# KiCad board r1_panel.kicad_pcb (continued)
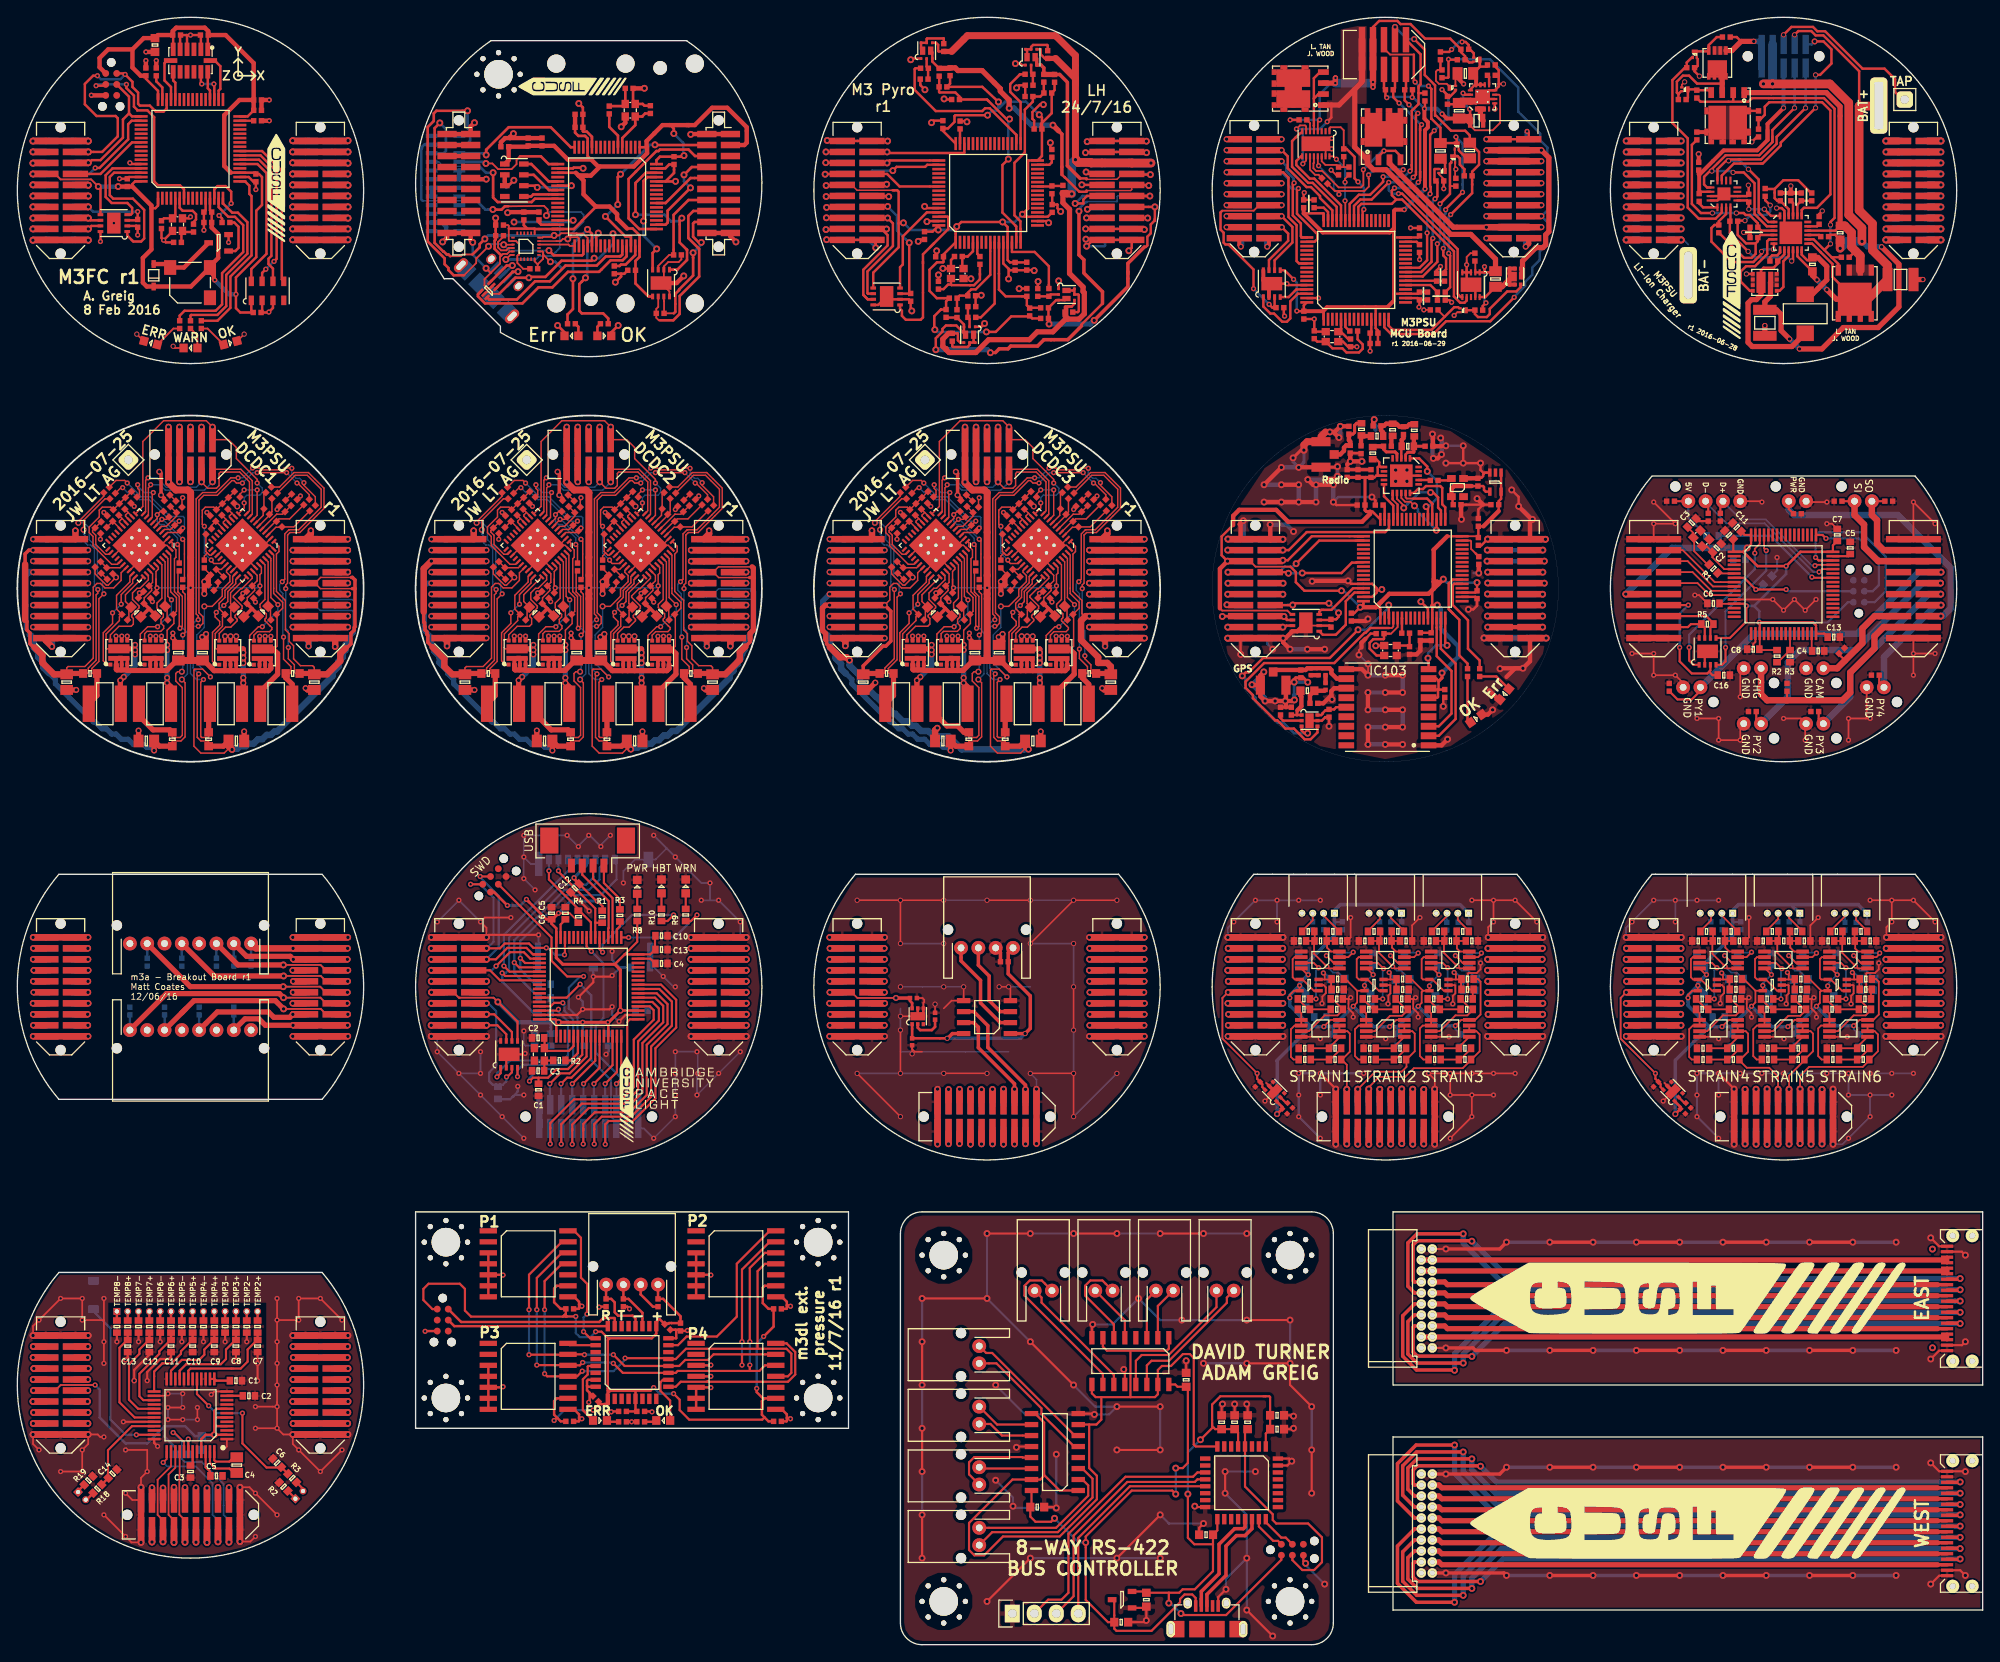
[diagram p0: board, top side]
## Routing (per net, layer and track width the routed paths; a pad name or vN(x,y) marks a point on that pad's centre or on a via; arc(x,y) is an arc through that point) (continued)
Net-(C27-Pad2): length 3
  Top w0.16: C27#2.2 R25#5.1 ; C27.2 R25#4.1 ; C27#3.2 R25#6.1
Net-(C29-Pad1): length 41.3
  Top w0.16: IC2#7.25 11.56,124.81 10.9,124.81 8.74,126.97 8.74,128.03 8.3,128.47 8.3,129.12 9.46,130.27 9.46,131.06 9.81,131.41 10.79,131.41 R15#5.1 R20#5.2 C29.1 R7#6.1 ; IC2#9.25 103.56,124.81 102.9,124.81 100.74,126.97 100.74,128.03 100.3,128.47 100.3,129.12 101.46,130.27 101.46,131.06 101.81,131.41 102.79,131.41 R15#7.1 R20#7.2 C29#3.1 R7#8.1 ; IC2#8.25 57.56,124.81 56.9,124.81 54.74,126.97 54.74,128.03 54.3,128.47 54.3,129.12 55.46,130.27 55.46,131.06 55.81,131.41 56.79,131.41 R15#6.1 R20#6.2 C29#2.1 R7#7.1
Net-(C30-Pad1): length 12
  Top w0.2: 159.25,75.7 159.25,76.9 R30.2 158.6,76.85 ; 204.6,76.85 R30#2.2 205.25,76.9 205.25,75.7 ; 204.6,76.85 204.6,77.5 v3(204.45,77.65) ; 204.6,76.85 IC7#2.3 ; v3(158.45,77.65) 158.6,77.5 158.6,76.85 ; 158.6,76.85 IC7.3
  Bottom w0.2: C30#4.1 159.2,75.65 R30.2 158.45,77.6 v3(158.45,77.65) ; v3(204.45,77.65) 204.45,77.6 R30#2.2 205.2,75.65 C30#5.1
Net-(C101-Pad2): length 8.1
  Top w0.2: 158.47,116.8 158.67,116.8 159.43,117.56 IC101.5
  Top w0.28: 158.47,116.8 C101.2 157.85,116.21 157.8,116.16 156.61,116.16 156.19,115.74 156.19,115.07 156.99,114.28 157.88,114.28
Net-(C102-Pad1): length 3.1
  Top w0.28: Y101.3 160.68,115.42 C102.1 R101.1
Net-(C110-Pad1): length 1.7
  Top w0.28: C110.1 157.93,131.48 IC101.47 157.94,130.02
Net-(C111-Pad1): length 3.2
  Top w0.2: 168.45,126.05 167.92,126.58 167.92,127.46 167.83,127.55 IC101.31
  Top w0.28: 168.45,126.05 C111.1
Net-(C204-Pad2): length 1.2
  Top w0.28: 158.7,139.5 L204.1
  Top w0.5: 158.7,138.5 158.7,139.5
Net-(C205-Pad2): length 5.6
  Top w0.28: 158.8,141 L204.2
  Top w0.35: 159.3,141.05 L204.2
  Top w0.5: 159.3,141.05 159.65,140.7 C205.2 160.5,140.7 160.79,140.99 L203.2 ; L205.1 157.75,140.05 157.5,140.3 C206.1 157.85,140.8 158.1,141.05 L204.2
Net-(C207-Pad1): length 2.4
  Top w0.28: 155.3,139.75 L206.1 ; L206.1 155.33,139.62 ; L206.1 155.2,139.65
  Top w0.5: C207.1 155.2,139.65 ; L205.2 155.33,139.62
Net-(C208-Pad1): length 6.4
  Top w0.35: 155.18,141.1 L206.2 154.69,141.1 154.46,140.87 154.46,140.04 154.26,139.85 D2#9.1
  Top w0.5: P201.1 152.8,137.5 153.23,137.93 153.23,138.29 153.49,138.55 C208.1 153.95,139 153.8,139.15 D2#9.1
Net-(D1-Pad1): length 11.6
  Top w0.28: R1#14.1 68.25,25.75 D1#10.1
  Top w0.35: 150.09,112.8 150.1,112.81
  Top w0.5: 150.09,112.8 L1#6.2 149,112.8 148.8,112.6 D1#8.1 145.28,112.6 P101.1 ; 150.7,112.81 150.1,112.81 ; 150.7,112.81 151.57,112.81 151.78,112.6 151.78,112.22 152.4,111.6 IC103.11 ; 150.7,112.81 151.55,112.81
Net-(D1-Pad2): length 33.9
  Top w0.2: R2.2 18.03,152.05 D1.2
  Top w0.25: v3(13.75,24.25) IC1#6.35 ; IC5#4.29 65.95,32.2 65.88,32.12 65.88,31.21 65.32,30.66 65.32,27.11 ; R8#5.2 D1#7.2
  Top w0.28: D1#10.2 66.5,25.93 65.32,27.11
  Top w0.3: D1#5.2 64.8,152.25 R2#11.2
  Bottom w0.25: v3(13.75,24.25) 12.5,24.25 10.75,26 10.75,36.56 8.8,38.51 8.8,38.76
Net-(D2-Pad1): length 6.5
  Top w0.28: R2#15.1 73.65,25.75 D2#10.1
  Top w0.3: 57.85,158.6 57.19,158.6 57.19,158.58 55.27,156.66
  Bottom w0.3: 57.85,158.6 57.84,158.61 57.32,158.61 J1#18.2 56.55,157.87
  vias: v1(57.83,158.62)
Net-(D2-Pad2): length 10.3
  Top w0.2: D2.2 20.8,151.25 R3.2
  Top w0.25: IC5#4.10 74.57,30.6 74.28,30.31 74.28,29.33 75.4,28.2 D2#10.2 ; R9#3.2 D2#8.2
  Top w0.28: D2#10.2 75.4,25.93
Net-(D2-Pad3): length 4.9
  Top w0.3: 54.57,157.37 56.52,159.33 v1(57.18,159.33)
  Bottom w0.3: J1#18.3 56.15,158.3 v1(57.18,159.33)
Net-(D3-Pad2): length 6.7
  Top w0.2: R4.2 21.97,152.05 D3.2
  Top w0.25: R10#3.2 D3#7.2
  Top w0.3: R4#10.2 67,152.25 D3#5.2
Net-(D4-Pad2): length 7.7
  Top w0.5: D4.2 17.25,159.5 LS1.2 19.25,159.1 Q1.3
Net-(D7-Pad1): length 6.5
  Top w0.25: D7.1 J13.1
  Bottom w0.25: J13.1 193,130.2 R4#13.1
Net-(D101-Pad2): length 4
  Top w0.28: D101.2 170.83,111.85 R102.2
Net-(D102-Pad2): length 5.5
  Top w0.28: R103.2 167.5,106.89 D102.2
Net-(IC1-Pad2): length 14.4
  Top w0.2: v3(212.1,79.6) 212.93,78.78 IC1#5.2 ; IC1#4.2 166.93,78.78 v3(166.1,79.6)
  Top w0.28: R2#14.2 145.9,107.05 146.2,106.75 IC1#14.2
  Top w0.3: IC1#16.2 104,71.28 104.28,71 105.63,71 106,71.38 R1#15.1
  Bottom w0.2: v3(212.1,79.6) 213.25,78.45 213.7,78.45 ; 167.7,78.45 167.25,78.45 v3(166.1,79.6)
Net-(IC1-Pad3): length 6.2
  Top w0.2: IC1#4.3 168.73,79.43 169.1,79.8 v3(169.1,79.9) ; v3(215.1,79.9) 215.1,79.8 214.73,79.43 IC1#5.3
  Bottom w0.2: v3(215.1,79.9) 213.75,79.9 213.7,79.95 ; 167.7,79.95 167.75,79.9 v3(169.1,79.9)
Net-(IC1-Pad5): length 9.2
  Top w0.28: Q6#2.G2 200.12,156.41 199.06,157.46 199.06,158.64 199.67,159.25 200.71,159.25 202.11,160.65 202.11,162.13 202.34,162.35 IC1#13.5
Net-(IC1-Pad6): length 32
  Top w0.2: IC2#4.1 164.75,75.55 163.45,76.85 IC2#4.4 162.35,76.85 162.2,77 162.2,79.2 162.43,79.43 IC1#4.6 ; IC2#5.1 210.75,75.55 209.45,76.85 IC2#5.4 208.35,76.85 208.2,77 208.2,79.2 208.43,79.43 IC1#5.6 ; 196.43,123.77 196.45,123.75 IC1#7.6
  Top w0.25: 63.35,67.5 63.9,67.5 64.75,68.35 IC1#3.6
  Top w0.28: R3#11.2 153.86,151.76 153.39,152.24 IC1#12.6 ; R5.2 20.35,164.35 20.64,164.64 20.64,165.26 20.25,165.65 19.1,165.65 18.75,166 IC1.6 ; R25.2 110.88,160.67 IC1#2.6
  Top w0.3: IC1#11.6 69.37,174.33 68.37,175.33 R1#10.2
Net-(IC1-Pad7): length 13.2
  Top w0.2: v3(211.2,74.6) 210.35,74.6 ; 164.35,74.6 v3(165.2,74.6) ; v3(165.2,78.2) 164.63,78.78 IC1#4.7 ; IC1#5.7 210.63,78.78 v3(211.2,78.2)
  Bottom w0.2: v3(211.2,74.6) v3(211.2,78.2) ; v3(165.2,74.6) v3(165.2,78.2)
Net-(IC1-Pad8): length 18.6
  Top w0.16: IC1#10.8 119.7,130.47 v3(119.7,133.4) ; IC1#9.8 73.7,130.47 v3(73.7,133.4) ; R5#10.2 117.72,132.92 v3(118.2,133.4) ; R5#8.2 25.72,132.92 v3(26.2,133.4) ; IC1#8.8 27.7,130.47 v3(27.7,133.4) ; R5#9.2 71.72,132.92 v3(72.2,133.4)
  Bottom w0.16: v3(26.2,133.4) v3(27.7,133.4) ; v3(72.2,133.4) v3(73.7,133.4) ; v3(118.2,133.4) v3(119.7,133.4)
Net-(IC1-Pad9): length 5.5
  Top w0.28: Q6#2.G1 203.54,156.41 203.98,156.85 203.98,159.82 204.6,160.44 IC1#13.9
Net-(IC1-Pad12): length 15.9
  Top w0.16: 70.8,130.7 71.19,130.31 IC1#9.12 ; 70.8,130.7 70.5,130.4 70.5,130.27 IC1#9.13 ; 70.8,130.7 R18#7.1 ; 116.8,130.7 116.5,130.4 116.5,130.27 IC1#10.13 ; 116.8,130.7 117.19,130.31 IC1#10.12 ; 116.8,130.7 R18#8.1 ; IC1#8.12 25.19,130.31 24.8,130.7 ; IC1#8.13 24.5,130.27 24.5,130.4 24.8,130.7 ; 24.8,130.7 R18#6.1
  Top w0.28: R14#9.1 207.02,159.95 206.72,159.95 206.1,160.57 IC1#13.12
  Top w0.6: R14#9.1 207.96,160.26 208.99,159.23 208.99,157.67 207.32,156 L1#5.2
Net-(IC1-Pad14): length 6.9
  Top w0.16: 70.1,130 R2#9.2 ; 70.1,130 70.48,129.62 IC1#9.14 ; 70.1,130 69.8,129.7 69.8,129.55 IC1#9.15 ; 116.1,130 116.48,129.62 IC1#10.14 ; 116.1,130 115.8,129.7 115.8,129.55 IC1#10.15 ; 116.1,130 R2#10.2 ; 24.1,130 24.48,129.62 IC1#8.14 ; 24.1,130 R2#8.2 ; 24.1,130 23.8,129.7 23.8,129.55 IC1#8.15
Net-(IC1-Pad15): length 1.6
  Top w0.28: R15#9.1 208.11,162.85 IC1#13.15
Net-(IC1-Pad16): length 7
  Top w0.16: R8#8.1 114.42,129.28 R10#6.1 115.77,128.93 IC1#10.16 ; IC1#9.16 69.77,128.93 R10#4.1 68.42,129.28 R8#6.1 ; R8#7.1 22.42,129.28 R10#5.1 23.77,128.93 IC1#8.16
Net-(IC1-Pad19): length 25.7
  Top w0.28: R13#9.1 R12#9.2 201.39,176.29 201.83,176.73 201.83,177.67 202.34,178.18 208.46,178.18 209.41,177.23 209.41,167.54 207.86,165.99 206.35,165.99 206.1,165.74 IC1#13.19
Net-(IC1-Pad20): length 3.3
  Top w0.28: R4#12.2 205.6,166.35 IC1#13.20 ; R4#12.2 R7#9.1 ; R4#12.2 205.94,166.81
Net-(IC1-Pad26): length 7
  Top w0.2: IC1#7.26 204.75,114.95 ; R2#7.1 203.35,113.5 R3#7.2 204.8,114.95
  Top w0.28: IC1#2.26 119.44,168.46 R27#3.1 120.71,168.52 R26#6.2
Net-(IC1-Pad30): length 37.3
  Top w0.16: Q2#3.G1 68.94,113.21 68.54,113.61 68.54,116.95 69.37,117.78 69.37,118.2 68.85,118.73 68.85,119.15 ; v3(115.85,120.05) 116.31,120.51 116.31,121.66 117.22,122.57 117.22,123.04 IC1#10.30 ; IC1#9.30 71.22,123.04 71.22,122.57 70.31,121.66 70.31,120.51 v3(69.85,120.05) ; IC1#8.30 25.22,123.04 25.22,122.57 24.31,121.66 24.31,120.51 v3(23.85,120.05) ; 22.85,119.15 22.85,118.73 23.37,118.2 23.37,117.78 22.54,116.95 22.54,113.61 22.94,113.21 Q2#2.G1 ; 114.85,119.15 114.85,118.73 115.37,118.2 115.37,117.78 114.54,116.95 114.54,113.61 114.94,113.21 115.33,113.21
  Bottom w0.16: v3(23.85,120.05) 23.77,120.05 v3(22.98,119.26) 22.85,119.15 ; v3(115.85,120.05) 115.77,120.05 v3(114.98,119.26) 114.85,119.15 ; 68.85,119.15 v3(68.98,119.26) 69.77,120.05 v3(69.85,120.05)
Net-(IC1-Pad32): length 32.8
  Top w0.16: IC1#10.32 119.13,123.39 119.13,123.2 117.93,121.99 117.79,121.99 116.95,121.15 116.95,121 117.96,119.98 117.96,119.71 117.15,118.9 117.15,118.7 117.4,118.45 117.4,118.29 116.66,117.55 116.05,117.55 115.33,116.83 115.33,115.99 ; Q2#3.G2 69.33,116.83 70.05,117.55 70.66,117.55 71.4,118.29 71.4,118.45 71.15,118.7 71.15,118.9 71.96,119.71 71.96,119.98 70.95,121 70.95,121.15 71.79,121.99 71.93,121.99 73.13,123.2 73.13,123.39 IC1#9.32 ; Q2#2.G2 23.33,116.83 24.05,117.55 24.66,117.55 25.4,118.29 25.4,118.45 25.15,118.7 25.15,118.9 25.96,119.71 25.96,119.98 24.95,121 24.95,121.15 25.79,121.99 25.93,121.99 27.13,123.2 27.13,123.39 IC1#8.32
Net-(IC1-Pad36): length 35.7
  Top w0.16: Q1#4.G2 73.33,116.62 73.73,117.03 75.13,117.03 75.4,117.3 75.4,117.5 75.2,117.7 75.18,117.7 74.6,118.28 74.6,118.48 74.76,118.64 74.76,119.09 74.04,119.81 74.04,120.19 74.6,120.75 74.6,124.76 IC1#9.36 ; 119.33,115.99 119.33,116.62 119.73,117.03 121.13,117.03 121.4,117.3 121.4,117.5 121.2,117.7 121.18,117.7 120.6,118.28 120.6,118.48 120.76,118.64 120.76,119.09 120.04,119.81 120.04,120.19 120.6,120.75 120.6,124.76 IC1#10.36 ; Q1#3.G2 27.33,116.62 27.73,117.03 29.13,117.03 29.4,117.3 29.4,117.5 29.2,117.7 29.18,117.7 28.6,118.28 28.6,118.48 28.76,118.64 28.76,119.09 28.04,119.81 28.04,120.19 28.6,120.75 28.6,124.76 IC1#8.36
Net-(IC1-Pad38): length 45.4
  Top w0.16: Q1#3.G1 26.94,113.21 26.84,113.32 26.84,116.59 27.85,117.6 v3(28.3,117.6) ; v3(122.1,120.15) 121.29,120.96 121.29,125.48 IC1#10.38 ; v3(74.3,117.6) 73.85,117.6 72.84,116.59 72.84,113.32 72.94,113.21 Q1#4.G1 ; IC1#8.38 29.29,125.48 29.29,120.96 v3(30.1,120.15) ; IC1#9.38 75.29,125.48 75.29,120.96 v3(76.1,120.15) ; v3(120.3,117.6) 119.85,117.6 118.84,116.59 118.84,113.32 118.94,113.21 119.33,113.21
  Bottom w0.16: v3(122.1,120.15) 122.1,119.4 v3(120.3,117.6) ; v3(30.1,120.15) 30.1,119.4 v3(28.3,117.6) ; v3(76.1,120.15) 76.1,119.4 v3(74.3,117.6)
Net-(IC1-Pad42): length 3.2
  Top w0.25: v3(19.75,23.75) IC1#6.42
  Bottom w0.25: 19.75,22 v3(19.75,23.75)
Net-(IC2-Pad1): length 7.4
  Top w0.28: IC2#11.2 169.15,177.57 169.31,177.57 169.47,177.41 IC2#11.3 ; IC2#11.2 168.81,177.59 168.7,177.59 168.52,177.41 IC2#11.1 168.49,177.4 168.64,177.25 168.99,177.25 ; IC2#11.2 168.99,177.25 ; IC2#11.2 168.99,177.25 ; IC2#11.2 IC2#11.3 ; 168.99,177.25 169,177.24 169.32,177.24 IC2#11.3 ; IC2#12.1 194.71,166.05 194.26,166.5 R8#10.2 194.26,166.69 ; IC2#11.3 169.49,177.37
  Top w0.6: L1#4.1 168.99,176.36 IC2#11.2
Net-(IC2-Pad8): length 21.7
  Top w0.16: IC2#9.8 107.59,130.25 107.59,132.98 v3(107.7,133.1) ; IC2#7.8 15.59,130.25 15.59,132.98 v3(15.7,133.1) ; v3(13.9,134) 13.9,133.58 14.11,133.37 14.11,132.87 R7#6.2 ; IC2#8.8 61.59,130.25 61.59,132.98 v3(61.7,133.1) ; v3(59.9,134) 59.9,133.58 60.11,133.37 60.11,132.87 R7#7.2 ; R7#8.2 106.11,132.87 106.11,133.37 105.9,133.58 v3(105.9,134)
  Bottom w0.16: v3(13.9,134) 13.9,133.86 14.66,133.1 v3(15.7,133.1) ; v3(107.7,133.1) 106.66,133.1 105.9,133.86 v3(105.9,134) ; v3(59.9,134) 59.9,133.86 60.66,133.1 v3(61.7,133.1)
Net-(IC2-Pad12): length 7.3
  Top w0.16: 12.8,130.8 13.29,130.31 IC2#7.12 ; 12.8,130.8 12.5,130.5 12.5,130.37 IC2#7.13 ; 12.8,130.8 R20#5.1 ; IC2#9.12 105.29,130.31 104.8,130.8 ; 58.8,130.8 R20#6.1 ; 58.8,130.8 58.5,130.5 58.5,130.37 IC2#8.13 ; 58.8,130.8 59.29,130.31 IC2#8.12 ; 104.8,130.8 104.5,130.5 104.5,130.37 IC2#9.13 ; 104.8,130.8 R20#7.1
Net-(IC2-Pad14): length 7.3
  Top w0.16: IC2#9.14 104.58,129.62 104.1,130.1 ; 58.1,130.1 R15#6.2 ; 58.1,130.1 58.58,129.62 IC2#8.14 ; 58.1,130.1 57.8,129.8 57.8,129.65 IC2#8.15 ; 12.1,130.1 R15#5.2 ; 12.1,130.1 12.58,129.62 IC2#7.14 ; 12.1,130.1 11.8,129.8 11.8,129.65 IC2#7.15 ; IC2#9.15 103.8,129.65 103.8,129.8 104.1,130.1 ; 104.1,130.1 R15#7.2
Net-(IC2-Pad16): length 6.8
  Top w0.16: IC2#9.16 103.87,128.93 R23#3.1 R21#5.1 ; IC2#8.16 57.87,128.93 R23#2.1 R21#4.1 ; R21#3.1 R23.1 11.87,128.93 IC2#7.16
Net-(IC2-Pad30): length 36.7
  Top w0.16: Q4#3.G1 56.37,113.23 55.93,113.66 55.93,116.9 57,117.97 v3(57,119.2) ; IC2#8.30 59.32,123.04 59.32,122.63 58,121.31 v3(58,120.2) ; IC2#7.30 13.32,123.04 13.32,122.63 12,121.31 v3(12,120.2) ; IC2#9.30 105.32,123.04 105.32,122.63 104,121.31 v3(104,120.2) ; v3(11,119.2) 11,117.97 9.93,116.9 9.93,113.66 10.37,113.23 Q4#2.G1 ; Q4#4.G1 102.37,113.23 101.93,113.66 101.93,116.9 103,117.97 v3(103,119.2)
  Bottom w0.16: v3(104,120.2) v3(103,119.2) ; v3(58,120.2) v3(57,119.2) ; v3(12,120.2) v3(11,119.2)
Net-(IC2-Pad32): length 34.3
  Top w0.16: Q4#4.G2 102.75,116.66 103.74,117.65 105.15,117.65 105.4,117.9 105.4,118.55 105.2,118.75 105.2,118.92 106.06,119.78 106.06,119.98 105.3,120.74 105.3,121.5 105.84,122.04 106.16,122.04 107.14,123.01 107.14,123.49 IC2#9.32 ; IC2#7.32 15.14,123.49 15.14,123.01 14.16,122.04 13.84,122.04 13.3,121.5 13.3,120.74 14.06,119.98 14.06,119.78 13.2,118.92 13.2,118.75 13.4,118.55 13.4,117.9 13.15,117.65 11.74,117.65 10.75,116.66 Q4#2.G2 ; IC2#8.32 61.14,123.49 61.14,123.01 60.16,122.04 59.84,122.04 59.3,121.5 59.3,120.74 60.06,119.98 60.06,119.78 59.2,118.92 59.2,118.75 59.4,118.55 59.4,117.9 59.15,117.65 57.74,117.65 56.75,116.66 Q4#3.G2
Net-(IC2-Pad36): length 35.7
  Top w0.16: Q3#4.G2 106.7,116.79 106.97,117.06 108.57,117.06 108.9,117.39 108.9,117.7 108.6,118 108.6,118.45 108.86,118.72 108.86,119.04 108.14,119.76 108.14,120.34 108.7,120.9 108.7,124.76 IC2#9.36 ; IC2#7.36 16.7,124.76 16.7,120.9 16.14,120.34 16.14,119.76 16.86,119.04 16.86,118.72 16.6,118.45 16.6,118 16.9,117.7 16.9,117.39 16.57,117.06 14.97,117.06 14.7,116.79 Q3#2.G2 ; IC2#8.36 62.7,124.76 62.7,120.9 62.14,120.34 62.14,119.76 62.86,119.04 62.86,118.72 62.6,118.45 62.6,118 62.9,117.7 62.9,117.39 62.57,117.06 60.97,117.06 60.7,116.79 Q3#3.G2
Net-(IC2-Pad38): length 46.6
  Top w0.16: Q3#4.G1 106.27,113.23 106.21,113.29 106.21,116.75 107.06,117.6 v3(108.2,117.6) ; IC2#7.38 17.39,125.48 17.39,121.11 v3(17.8,120.7) ; v3(63.8,120.7) 63.39,121.11 63.39,125.48 IC2#8.38 ; v3(16.2,117.6) 15.06,117.6 14.21,116.75 14.21,113.29 14.27,113.23 Q3#2.G1 ; IC2#9.38 109.39,125.48 109.39,121.11 v3(109.8,120.7) ; Q3#3.G1 60.27,113.23 60.21,113.29 60.21,116.75 61.06,117.6 v3(62.2,117.6)
  Bottom w0.16: v3(109.8,120.7) 109.8,119.2 v3(108.2,117.6) ; v3(62.2,117.6) 63.8,119.2 v3(63.8,120.7) ; v3(17.8,120.7) 17.8,119.2 v3(16.2,117.6)
Net-(IC3-Pad2): length 24.4
  Top w0.2: IC3#2.2 152.03,78.78 v3(151.2,79.6) ; IC3#3.2 198.03,78.78 v3(197.2,79.6)
  Top w0.25: IC3#7.2 123.02,19.08 123.69,18.41 123.69,17.21 119.98,13.5 P6.1
  Bottom w0.2: 198.7,78.45 198.35,78.45 v3(197.2,79.6) ; 152.7,78.45 152.35,78.45 v3(151.2,79.6)
Net-(IC3-Pad3): length 26.6
  Top w0.2: v3(200.3,80) 199.73,79.43 IC3#3.3 ; v3(154.3,80) 153.73,79.43 IC3#2.3
  Top w0.25: P6.2 112.6,13 120.18,13 124.19,17 124.19,19.18 123.01,20.35 IC3#7.3
  Bottom w0.2: v3(200.3,80) 200.25,79.95 198.7,79.95 ; v3(154.3,80) 154.25,79.95 152.7,79.95
Net-(IC3-Pad5): length 15.8
  Top w0.25: P7.2 113.09,32.5 118.29,27.3 118.29,26.67 122.06,22.89 IC3#7.5
Net-(IC3-Pad6): length 29.4
  Top w0.2: IC3#2.6 147.53,79.43 147.3,79.2 147.3,77.1 147.55,76.85 IC4#2.4 148.45,76.85 149.75,75.55 IC4#2.1 ; IC3#3.6 193.53,79.43 193.3,79.2 193.3,77.1 193.55,76.85 IC4#3.4 194.45,76.85 195.75,75.55 IC4#3.1
  Top w0.25: P7.1 111.9,33.7 112.6,33.7 122.14,24.16 IC3#7.6
Net-(IC3-Pad7): length 13.2
  Top w0.2: 195.35,74.6 v3(196,74.6) ; 149.35,74.6 v3(150,74.6) ; v3(196.3,78.2) 195.73,78.78 IC3#3.7 ; IC3#2.7 149.73,78.78 v3(150.3,78.2)
  Bottom w0.2: v3(196,74.6) 196,77.9 v3(196.3,78.2) ; v3(150.3,78.2) 150,77.9 v3(150,74.6)
Net-(IC3-Pad10): length 6.9
  Top w0.25: P8.1 113.17,25.43 IC3#7.10
Net-(IC3-Pad11): length 6.6
  Top w0.25: P8.2 112.39,25.5 113.73,24.16 IC3#7.11
Net-(IC3-Pad13): length 10.5
  Top w0.25: IC3#7.13 116.11,21.62 116.06,21.68 110.54,21.68 109.93,21.06 109.93,19.68 P9.2
Net-(IC3-Pad14): length 6.1
  Top w0.25: IC3#7.14 111.25,20.35 P9.1
Net-(IC4-Pad2): length 6.2
  Top w0.25: IC4#7.2 131.73,39.13 P10.1
Net-(IC4-Pad3): length 5.9
  Top w0.25: IC4#7.3 130.46,39.86 P10.2
Net-(IC4-Pad5): length 16.2
  Top w0.2: 149.75,175.48 149.76,175.47 IC4#5.5
  Top w0.25: P11.2 127.92,37.48 IC4#7.5
  Top w0.28: 149.75,178.61 149.75,180.96 150.46,181.67 Q5.G1 150.37,181.67 ; 149.75,178.61 150.27,179.13 Q5.G2 ; 149.75,178.61 149.75,175.44
Net-(IC4-Pad6): length 11.3
  Top w0.25: P11.1 125.33,42.08 123.94,42.08 123.33,41.46 123.33,40.34 126.65,37.01 IC4#7.6
Net-(IC4-Pad10): length 19.1
  Top w0.25: IC4#7.10 125.38,31.28 116.33,40.34 116.33,41.46 116.94,42.08 118.33,42.08 P12.1
Net-(IC4-Pad11): length 14.6
  Top w0.25: IC4#7.11 126.65,31.17 118.3,39.52 118.3,40.1 P12.2
Net-(IC4-Pad12): length 18.3
  Top w0.2: IC4#5.12 149.76,171.19 149.7,171.14 149.7,170.56 150.01,170.25 150.71,170.25 152.61,168.35 155.2,168.35 155.47,168.62 v3(155.47,170.4) 155.32,170.25
  Top w0.28: 157.22,171.99 Q4#5.G2 157.22,171.94 v3(157.85,172.57) 159.17,172.57 159.76,171.99 Q4#5.G1 159.76,171.94 ; 155.39,170.32 v3(155.47,170.4)
  Bottom w0.28: v3(155.47,170.4) 157.64,172.57 v3(157.85,172.57)
Net-(IC4-Pad13): length 16.5
  Top w0.25: IC4#7.13 129.19,32.79 129.87,33.47 132.97,33.47 138.5,38.99 P13.2
Net-(IC4-Pad14): length 16.2
  Top w0.25: P13.1 139.7,40.1 139.7,39.49 133.02,32.8 131,32.8 130.46,32.26 IC4#7.14
Net-(IC5-Pad10): length 9.2
  Top w0.28: 172.34,157.72 172.67,158.05 172.34,158.38 ; R15#8.2 169.55,155.69 IC5#3.10
  Top w0.45: Q8.S Q8.S 172.34,157.72 172.67,158.05 172.34,158.38 Q8.S Q8.S ; R15#8.2 170.73,156.79
  Top w0.6: 172.67,158.05 171.49,156.87 R15#8.2
Net-(IC6-Pad2): length 8
  Top w0.2: IC6.2 159.43,78.78 v3(158.6,79.6) ; v3(204.6,79.6) 205.43,78.78 IC6#2.2
  Bottom w0.2: v3(158.6,79.6) 159.75,78.45 160.2,78.45 ; 206.2,78.45 205.75,78.45 v3(204.6,79.6)
Net-(IC6-Pad3): length 6.8
  Top w0.2: IC6#2.3 207.33,79.43 v3(207.8,79.9) ; v3(161.8,79.9) 161.33,79.43 IC6.3
  Bottom w0.2: v3(207.8,79.9) 207.75,79.95 206.2,79.95 ; 160.2,79.95 161.75,79.95 v3(161.8,79.9)
Net-(IC6-Pad6): length 14.1
  Top w0.2: IC7#2.1 203.25,75.55 201.95,76.85 IC7#2.4 200.95,76.85 200.7,77.1 200.7,79.2 200.93,79.43 IC6#2.6 ; IC6.6 154.93,79.43 154.7,79.2 154.7,77.1 154.95,76.85 IC7.4 155.95,76.85 157.25,75.55 IC7.1
Net-(IC6-Pad7): length 13.3
  Top w0.2: IC6#2.7 203.13,78.78 v3(203.8,78.1) ; v3(203.7,74.6) 202.85,74.6 ; v3(157.7,74.6) 156.85,74.6 ; IC6.7 157.13,78.78 v3(157.8,78.1)
  Bottom w0.2: v3(157.7,74.6) 157.7,78 v3(157.8,78.1) ; v3(203.7,74.6) 203.7,78 v3(203.8,78.1)
Net-(IC10-Pad2): length 2.3
  Top w0.25: R32.1 146.55,62.58 IC10.2 145.88,63.22 ; 191.88,63.22 IC10#2.2 192.55,62.58 R32#2.1
Net-(IC101-Pad6): length 1.8
  Top w0.28: R101.2 159.93,116.88 IC101.6 159.95,118.58
Net-(J6-Pad1): length 5.8
  Top w0.25: J6.1 67.75,88 69.6,86.15 69.6,85
Net-(L1-Pad1): length 107.2
  Top w0.16: R6#5.1 78.09,135.09 79.49,135.09 81.1,133.48 81.1,131.4 78.5,128.8 77.4,128.8 ; 31.4,128.8 31.37,128.8 ; 31.4,128.8 32.5,128.8 35.1,131.4 35.1,133.48 33.49,135.09 32.09,135.09 R6#6.1 ; 31.4,128.8 31.37,128.8 ; 31.37,128.8 30.89,128.32 30.89,123.09 v3(30.6,122.8) ; v3(30.75,116.4) 30.75,113.85 31.6,113 31.6,112.3 31.5,112.2 R1#7.2 ; 77.4,128.8 77.37,128.8 ; 77.4,128.8 77.37,128.8 ; 123.4,128.8 124.5,128.8 127.1,131.4 127.1,133.48 125.49,135.09 124.09,135.09 R6#7.1 ; 123.4,128.8 123.37,128.8 ; 123.4,128.8 123.37,128.8 ; R1#9.2 123.5,112.2 123.6,112.3 123.6,113 122.67,113.93 v3(122.67,115.02) ; 77.37,128.8 76.89,128.32 76.89,123.09 v3(76.6,122.8) ; R1#8.2 77.5,112.2 77.6,112.3 77.6,113 76.75,113.85 v3(76.75,116.4) ; v3(122.6,122.8) 122.89,123.09 122.89,128.32 123.37,128.8
  Top w0.5: L2#4.2 L1#6.1
  Top w0.6: L1.1 31.75,110.95 31,111.7 R1#7.2 ; R1#8.2 77,111.7 77.75,110.95 L1#2.1 ; L1#3.1 123.75,110.95 123,111.7 R1#9.2
  Bottom w0.16: v3(76.75,116.4) 76.75,116.65 76.68,116.72 76.68,121.42 76.3,121.8 76.3,122.5 v3(76.6,122.8) ; v3(30.6,122.8) 30.3,122.5 30.3,121.8 30.68,121.42 30.68,116.72 30.75,116.65 v3(30.75,116.4) ; v3(122.6,122.8) 122.3,122.5 122.3,121.8 122.68,121.42 122.68,115.03 v3(122.67,115.02)
Net-(L2-Pad1): length 0.9
  Top w0.5: L3#4.2 L2#4.1
Net-(L2-Pad2): length 157.4
  Top w0.16: v3(125.1,134.24) 125.1,134.24 125.1,133.93 126.42,132.61 R9#6.2 ; v3(21.5,111.5) 21.18,111.18 21.18,104.92 21.3,104.8 22,104.8 22.1,104.9 R13#6.1 ; v3(27.16,135.94) 27.34,135.94 27.34,135.94 27.96,135.94 28.18,135.72 30.62,135.72 30.84,135.94 31.66,135.94 v3(31.7,135.9) ; v3(112.9,118.41) 112.9,118.83 112.66,119.08 112.66,132.36 113.4,133.1 114.95,133.1 116.65,134.8 v3(117.5,134.8) ; v3(67.5,111.5) 67.18,111.18 67.18,104.92 67.3,104.8 68,104.8 68.1,104.9 R13#5.1 ; R13#7.1 114.1,104.9 114,104.8 113.3,104.8 113.18,104.92 113.18,111.18 v3(113.5,111.5) ; R9#4.2 80.42,132.61 79.1,133.93 79.1,134.24 v3(79.1,134.24) ; v3(66.9,118.41) 66.9,118.83 66.66,119.08 66.66,132.36 67.4,133.1 68.95,133.1 70.65,134.8 v3(71.5,134.8) ; v3(119.16,135.94) 119.34,135.94 119.34,135.94 119.96,135.94 120.18,135.72 122.62,135.72 122.84,135.94 123.66,135.94 v3(123.7,135.9) ; v3(77.7,135.9) 77.66,135.94 76.84,135.94 76.62,135.72 74.18,135.72 73.96,135.94 73.34,135.94 73.34,135.94 v3(73.16,135.94) ; v3(33.1,134.24) 33.1,134.24 33.1,133.93 34.42,132.61 R9#5.2 ; v3(20.9,118.41) 20.9,118.83 20.66,119.08 20.66,132.36 21.4,133.1 22.95,133.1 24.65,134.8 v3(25.5,134.8)
  Top w0.6: L2#3.2 114.1,108.55 R13#7.1 ; L2#2.2 68.1,108.55 R13#5.1 ; L2.2 22.1,108.55 R13#6.1
  Bottom w0.16: v3(113.5,111.5) 112.69,111.5 112,112.19 112,117.65 112.76,118.41 v3(112.9,118.41) ; v3(123.7,135.9) 123.7,135.25 124.21,134.74 124.6,134.74 v3(125.1,134.24) ; v3(71.5,134.8) 72.03,134.8 v3(73.16,135.94) ; v3(31.7,135.9) 31.7,135.25 32.21,134.74 32.6,134.74 v3(33.1,134.24) ; v3(67.5,111.5) 66.69,111.5 66,112.19 66,117.65 66.76,118.41 v3(66.9,118.41) ; v3(20.9,118.41) 20.76,118.41 20,117.65 20,112.19 20.69,111.5 v3(21.5,111.5) ; v3(117.5,134.8) 118.03,134.8 v3(119.16,135.94) ; v3(79.1,134.24) 78.6,134.74 78.21,134.74 77.7,135.25 v3(77.7,135.9) ; v3(27.16,135.94) 26.03,134.8 v3(25.5,134.8)
Net-(L3-Pad1): length 81
  Top w0.16: R14#5.2 63.9,104.8 64.8,104.8 65.06,105.06 65.06,110.57 64.3,111.33 64.3,112.19 64.51,112.4 v2(65,112.4) ; v2(19,112.4) 18.51,112.4 18.3,112.19 18.3,111.33 19.06,110.57 19.06,105.06 18.8,104.8 17.9,104.8 R14#6.2 ; R19#7.1 111.1,121.98 ; R19#7.1 111.25,122.15 111.3,122.1 ; R19#7.1 111.1,121.63 111.38,121.35 111.38,116.91 v3(111.11,116.64) ; 19.3,122.1 19.25,122.15 R19#5.1 ; R19#6.1 65.1,121.98 ; R19#6.1 65.1,121.63 65.38,121.35 65.38,116.91 v3(65.11,116.64) ; R19#6.1 65.25,122.15 65.3,122.1 ; R19#5.1 19.1,121.98 ; R19#5.1 19.1,121.63 19.38,121.35 19.38,116.91 v3(19.11,116.64) ; R14#7.2 109.9,104.8 110.8,104.8 111.06,105.06 111.06,110.57 110.3,111.33 110.3,112.19 110.51,112.4 v2(111,112.4)
  Top w0.6: R14#5.2 63.62,105.69 61.67,105.69 60.05,107.3 L3#2.1 ; R14#7.2 109.35,105.4 108.61,106.14 107.37,106.14 106.05,107.46 L3#3.1 106.05,107.3 ; R14#6.2 17.62,105.69 15.67,105.69 14.05,107.3 L3.1
  Bottom w0.16: v3(111.11,116.64) 111.11,112.51 v2(111,112.4) ; v2(65,112.4) 65.11,112.51 v3(65.11,116.64) ; v3(19.11,116.64) 19.11,112.51 v2(19,112.4)
Net-(L4-Pad2): length 86.2
  Top w0.16: R26#4.1 54.7,112.2 54.6,112.3 54.6,112.77 55.42,113.59 55.42,120.82 v3(56,121.4) ; v2(99.05,129.6) 99.05,129.74 101.98,132.67 R22#5.2 ; R22#4.2 55.98,132.67 53.05,129.74 v2(53.05,129.6) ; v2(7.05,129.6) 7.05,129.74 9.98,132.67 R22#3.2 ; R26#3.1 8.7,112.2 8.6,112.3 8.6,112.77 9.42,113.59 9.42,120.82 v3(10,121.4) ; v3(102,121.4) 101.61,121.01 101.61,113.78 100.6,112.77 100.6,112.3 100.7,112.2 R26#5.1
  Top w0.6: L4#3.2 101.2,109.65 R26#5.1 ; L4.2 9.2,109.65 R26#3.1 ; L4#2.2 55.2,109.65 R26#4.1
  Bottom w0.16: v3(56,121.4) 55.84,121.56 55.84,122.81 55.25,123.4 55.25,126.71 54.3,127.66 54.3,129.02 53.72,129.6 v2(53.05,129.6) ; v3(10,121.4) 9.84,121.56 9.84,122.81 9.25,123.4 9.25,126.71 8.3,127.66 8.3,129.02 7.72,129.6 v2(7.05,129.6) ; v3(102,121.4) 101.84,121.56 101.84,122.81 101.25,123.4 101.25,126.71 100.3,127.66 100.3,129.02 99.72,129.6 v2(99.05,129.6)
Net-(Q1-Pad1): length 4.9
  Top w0.28: R1.2 25.05,164.3 25.55,163.8 25.55,161.37 25.18,161 Q1.1
Net-(Q1-PadD1): length 4.5
  Top w0.28: Q1#2.D1 116.63,184.12 Q1#2.D1 Q1#2.G2 117.09,184.58 117.32,184.81 118.94,184.81 119.01,184.74 R1#3.2
Net-(Q1-PadD): length 9.5
  Top w0.2: Q1#6.D 165.4,180.01 165.09,180.32 164.19,180.32 163.85,180.66 163.85,181.73 164.04,181.92 R4#11.2
  Top w0.28: R4#11.2 164.37,182.1 R6#8.2 164.42,183.1 ; 164.37,182 164.45,181.92 ; R9#8.2 196.29,185.72 195.36,184.79 Q2#6.G 195.27,184.07 Q1#7.D
Net-(Q1-PadG1): length 2.4
  Top w0.28: Q1#2.G1 117.09,181.62 R6.1 117.3,180.16 R5#2.1
Net-(Q2-PadD1): length 4.7
  Top w0.28: Q2.D1 104.38,184.33 Q2.D1 Q2.G2 105.03,185.5 105.09,185.56 106.99,185.56 107,185.55 R8.2
Net-(Q2-PadD): length 16.7
  Top w0.2: 192.03,179.32 192.17,179.45 Q3#6.S ; Q2#6.D 196.68,181.84 Q2#6.D 196.02,181.84 Q2#6.D
  Top w0.28: 192.03,179.32 191.85,179.14 191.85,179.12 ; 191.85,179.12 191.68,179.29 191.68,180.57 192.37,181.26 193.09,181.26 194.01,180.34 196.92,180.34 ; 191.85,179.12 R10#8.1 ; Q2#6.D Q2#6.D Q2#6.D Q2#6.D
  Top w0.6: 196.9,181.62 Q2#6.D 196.92,181.6 Q4#6.S1
Net-(Q2-PadG1): length 2.5
  Top w0.28: Q2.G1 105.03,182.31 R18.1 105.19,182.08 R12.1
Net-(Q2-PadG): length 5.7
  Top w0.2: Q2#5.G 168.22,183.46
  Top w0.28: 168.22,183.46 168.22,183.85 167.76,184.31 R5#7.2 167.63,184.8 167.28,185.15 166.88,185.15 v3(166.87,185.16) ; v3(165.66,184.28) 165.38,184 R6#8.1
  Bottom w0.28: v3(165.66,184.28) 166.54,185.16 v3(166.87,185.16)
Net-(Q3-PadD1): length 4.6
  Top w0.28: Q3.D1 110.45,150.6 Q3.D1 Q3.G2 109.99,150.15 109.76,149.92 108.07,149.92 107.99,150 R10.2
Net-(Q3-PadD): length 8.1
  Top w0.2: Q3#5.D 166.03,172.16 Q6.G
  Top w0.28: Q4#6.G1 195.37,179.58 R11#9.1 193.88,179.68 Q3#6.D 192.95,178.7 R10#8.2 ; R12#8.2 167.13,170.44 167.14,170.45 166.61,170.98 166.61,171.71 166.35,171.97 Q3#5.D
Net-(Q3-PadG1): length 2.4
  Top w0.28: R13.1 R19.1 109.99,153.15 Q3.G1
Net-(Q4-PadD1): length 43.7
  Top w0.2: Q4#5.D2 156.64,174.9 Q4#5.D2 ; Q4#5.D1 159.06,174.9 Q4#5.D1 ; Q4#6.D2 198.76,175.94 Q4#6.D2 ; Q4#6.D2 198.92,175.83 Q4#6.D2 ; 199.45,175.14 Q4#6.D2 ; Q4#6.D2 198.13,175.19 ; 196.98,175.19 Q4#6.D1 ; Q4#6.D1 195.65,175.14 ; Q4#6.D1 195.25,174.74 Q4#6.D1 ; Q4#6.D1 196.34,175.94 Q4#6.D1 ; 195.65,173.63 195.65,175.16 ; 198.13,173.62 198.13,175.21 ; 199.45,173.63 199.45,175.16 ; 196.98,173.62 196.98,175.21
  Top w0.28: Q4#5.D2 155.55,176.1 Q4#5.D2 ; Q4#5.D2 155.95,175.7 Q4#5.D2 ; Q4#5.D2 157.28,175.65 Q4#5.D2 ; Q4#5.D1 160.15,176.1 Q4#5.D1 ; Q4#5.D1 159.75,175.7 Q4#5.D1 ; Q4#5.D1 158.43,175.65 Q4#5.D1 ; R11.2 122.49,153.94 122.6,154.05 122.6,155.92 122.54,155.98 Q4.G2 Q4.D1 121.91,156.45 Q4.D1 ; Q4#6.D2 R12#9.1
  Top w0.45: R16#9.2 Q4#6.D1
  Top w2: Q4#5.D2 Q4#5.D1
Net-(Q4-PadG1): length 2.5
  Top w0.28: R14.1 R20.1 119.36,155.98 Q4.G1
Net-(Q5-PadD1): length 19.8
  Top w0.2: Q5.D1 147.49,180.98 Q5.D1 ; Q5.D2 147.49,178.55 Q5.D2
  Top w0.28: Q5.D1 146.29,182.07 146.29,182.23 ; Q5.D1 146.69,181.66 Q5.D1 ; Q5.D1 146.74,180.34 Q5.D1 ; Q5.D2 146.74,179.19 Q5.D2 ; Q5.D2 146.69,177.87 Q5.D2 ; Q5.D2 146.29,177.46 146.29,177.3 ; Q5.D2 148.63,177.3 ; Q5.D1 148.63,182.23
  Top w2: Q5.D1 Q5.D2
Net-(Q6-PadS): length 1.8
  Top w0.2: 166.54,172.56 166.48,172.62 Q6.S
  Top w0.28: 166.54,172.56 167.39,171.71 R13#8.2
Net-(Q7-PadD): length 1.7
  Top w0.28: 164.33,171.63 R14#8.2 164.9,171.14 Q7.D
Net-(Q8-PadG): length 9
  Top w0.28: Q9.D 168.34,154.16 R16#8.2 168.35,153.73 168.71,153.37 169.72,153.37 170.07,153.72 170.07,154.32 172.08,156.33 173.14,156.33 173.64,156.83 Q8.G

## Copper pours and planes (outline as drawn; the poured copper is in the pictures)
GND on Top: 184,137 224,137 224,102 184,102
GND on Top: 158.9,30 158.9,50 227,50 227,30
GND on Top: 227,24 158.9,24 158.9,4 227,4
GND on Top: 66,96 63.5,95.75 61,95.25 58.5,94.5 56,93.25 53.5,91.5 51,89.25 48.75,86 47.5,83.5 46.75,81 46.25,78.5 46,76 46.25,73.5 46.75,71 47.5,68.5 48.75,66 50.5,63.5 52.75,61 56,58.75 58.5,57.5 61,56.75 63.5,56.25 66,56 68.5,56.25 71,56.75 73.5,57.5 76,58.75 78.5,60.5 81.5,63.5 83.25,66 84.5,68.5 85.25,71 85.75,73.5 86,76 85.75,78.5 85.25,81 84.25,84 83.25,86 81.5,88.5 79.25,91 76,93.25 73.5,94.5 71,95.25 68.5,95.75
GND on Top: 138,91 178,91 178,56 138,56
GND on Top: 92,89 132,89 132,56 92,56
GND on Top: 0,50 40,50 40,10 0,10
GND on Top: 184,91 224,91 224,56 184,56
GND on Top: 101,51 153,51 153,-1 101,-1
GND on Top: 178,102 138,102 138,142 178,142
GND on Bottom: 0,188 40,188 40,148 0,148
GND on Bottom: 46,142 86,142 86,102 46,102
GND on Bottom: 138,142 178,142 178,102 138,102
GND on Bottom: 224,91 184,91 184,56 224,56
GND on Bottom: 45,189.6 45,148 86.8,148 86.8,189.6
GND on Bottom: 92,142 132,142 132,102 92,102
GND on Bottom: 0,91 40,91 40,61 0,61
GND on Bottom: 0,142 40,142 40,102 0,102
GND on Bottom: 88.2,191.8 88.2,143.54 136.46,143.54 136.46,191.8
GND on Bottom: 178,91 138,91 138,56 178,56
GND on Bottom: 101,51 101,-1 153,-1 153,51
GND on Bottom: 184,137 224,137 224,102 184,102
GND on Bottom: 40,50 40,10 0,10 0,50
GND on Bottom: 92,89 132,89 132,56 92,56
GND on Bottom: 66,96 63.5,95.75 61,95.25 58.5,94.5 56,93.25 53.5,91.5 51,89.25 48.75,86 47.5,83.5 46.75,81 46.25,78.5 46,76 46.25,73.5 46.75,71 47.5,68.5 48.75,66 50.5,63.5 52.75,61 56,58.75 58.5,57.5 61,56.75 63.5,56.25 66.5,56 68.5,56.25 71,56.75 73.5,57.5 75.5,58.5 78.5,60.5 81.5,63.5 83.25,66 84.5,68.5 85.25,71 85.75,73.5 86,76 85.75,78.5 85.25,81 84.5,83.5 83.25,86 81.5,88.5 79.25,91 76,93.25 73.5,94.5 71,95.25 68.5,95.75
GND on Bottom: 46,50 96,50 96,25 46,25
GND on Bottom: 178,188 178,148 138,148 138,188
GND on Bottom: 184,188 224,188 224,148 184,148
GND on Bottom: 158.9,24 227,24 227,4 158.9,4
GND on Bottom: 227,30 227,50 158.9,50 158.9,30
VBATT on Top: 203.44,156.83 203.44,158.58 202.22,158.58 202.22,156.83
VCC on Top: 155.85,187 155.85,178 154.65,178 154.65,172.6 156.45,172.6 156.45,170.6 154.65,170.6 154.65,172.4 153.65,173.4 153.65,175.8 151.25,175.8 151.25,178.4 151.85,178.4 151.85,179.8 152.85,179.8 152.85,187
VCC on Top: 197.54,184.66 197.54,183.67 195.82,183.67 195.82,184.66
Net-(C5-Pad2) on Top: 214.43,159.43 214.43,158.16 211.29,158.16 211.29,159.43
Net-(Q4-PadD1) on Top: 199.77,177.78 199.77,173.88 195.33,173.88 195.33,177.78

Small or netless copper shapes (teardrops, artwork), in the pictures only: 1 on Top

## Text on the board
B.SilkS: R1 | C15 | C16 | C8 | C14 | R5 | R6 | R7 | C7 | C9 | R4 | TEMP9- | TEMP9+ | C1 | D1 | TEMP8- | TEMP8+ | TEMP7- | TEMP7+ | TEMP6- | TEMP6+ | TEMP5- | TEMP5+ | TEMP4- | TEMP4+ | TEMP3- | TEMP3+ | TEMP2- | TEMP2+ | TEMP1- | TEMP1+ | m3dl - Temp r1 / Matt Coates / 12/06/16 | m3dl - Main r1 / Matt Coates / 12/06/16 | m3dl - Strain r1 / Matt Coates / 12/06/16 | m3a - Base r1 / Matt Coates / 12/06/16 | GPS | Radio | GND | SG1- | SG1+ | 3V3 | SG2- | SG2+ | SG3- | SG3+ | SG4- | SG4+ | SG5- | SG5+ | SG6- | SG6+ | m3dl - Pressure Relay r1 / Matt Coates / 20/07/2016 | M3 IMU v0.2 / 11 Mar 2016 | PYRO1 | USB | PYRO2 | CHG | PWR | 5vCAM | PYRO3 | SWD | ARM | PYRO4 | SIN | SOUT | M3FC r1 | Z | Y | X | 2016-07-24 | Revision 2 | M3Radio r1 / 23 June 2016 | E R Eide / A Raghu / G Brooks | TX | RX | 3v3 | 1 GND / 2 RCK / 3 SRCK / 4 DATA
F.SilkS: L. TAN / J. WOOD | r1 2016-06-29 | r1 2016-06-28 | C13 | C12 | C11 | C10 | C9 | C8 | C7 | C3 | C5 | C4 | C1 | C2 | R2 | R4 | R1 | R3 | R8 | R5 | C6 | C16 | R19 | R18 | C14 | TEMP8- | TEMP8+ | TEMP7- | TEMP7+ | TEMP6- | TEMP6+ | TEMP5- | TEMP5+ | TEMP4- | TEMP4+ | TEMP3- | TEMP3+ | TEMP2- | TEMP2+ | R10 | R9 | 5V | D- | D+ | GND | GND / PWR | m3a - Breakout Board r1 / Matt Coates / 12/06/16 | M3PSU / Li-Ion Charger | GPS | Radio | PWR | HBT | WRN | PY1 / GND | CHG / GND | PY2 / GND | CAM / GND | PY3 / GND | PY4 / GND | SO / SI | M3PSU / MCU Board | SWD | USB | A. Greig / 8 Feb 2016 | X | WARN | Y | TAP | Z | OK | BAT- | BAT+ | ERR | R T - + | STRAIN1 | STRAIN2 | STRAIN3 | STRAIN4 | STRAIN5 | STRAIN6 | M3 Pyro / r1 | LH / 24/7/16 | 2016-07-25 / JW LT AG | Err | M3PSU / DCDC1 | r1 | M3PSU / DCDC2 | M3PSU / DCDC3 | P1 | P3 | P2 | P4 | m3dl ext. / pressure / 11/7/16 r1 | M3FC r1 | 8-WAY RS-422 / BUS CONTROLLER | DAVID TURNER / ADAM GREIG | EAST | WEST
